# Altium PCB Radio(ESP).PcbDoc (part 1 of 2) (continued)
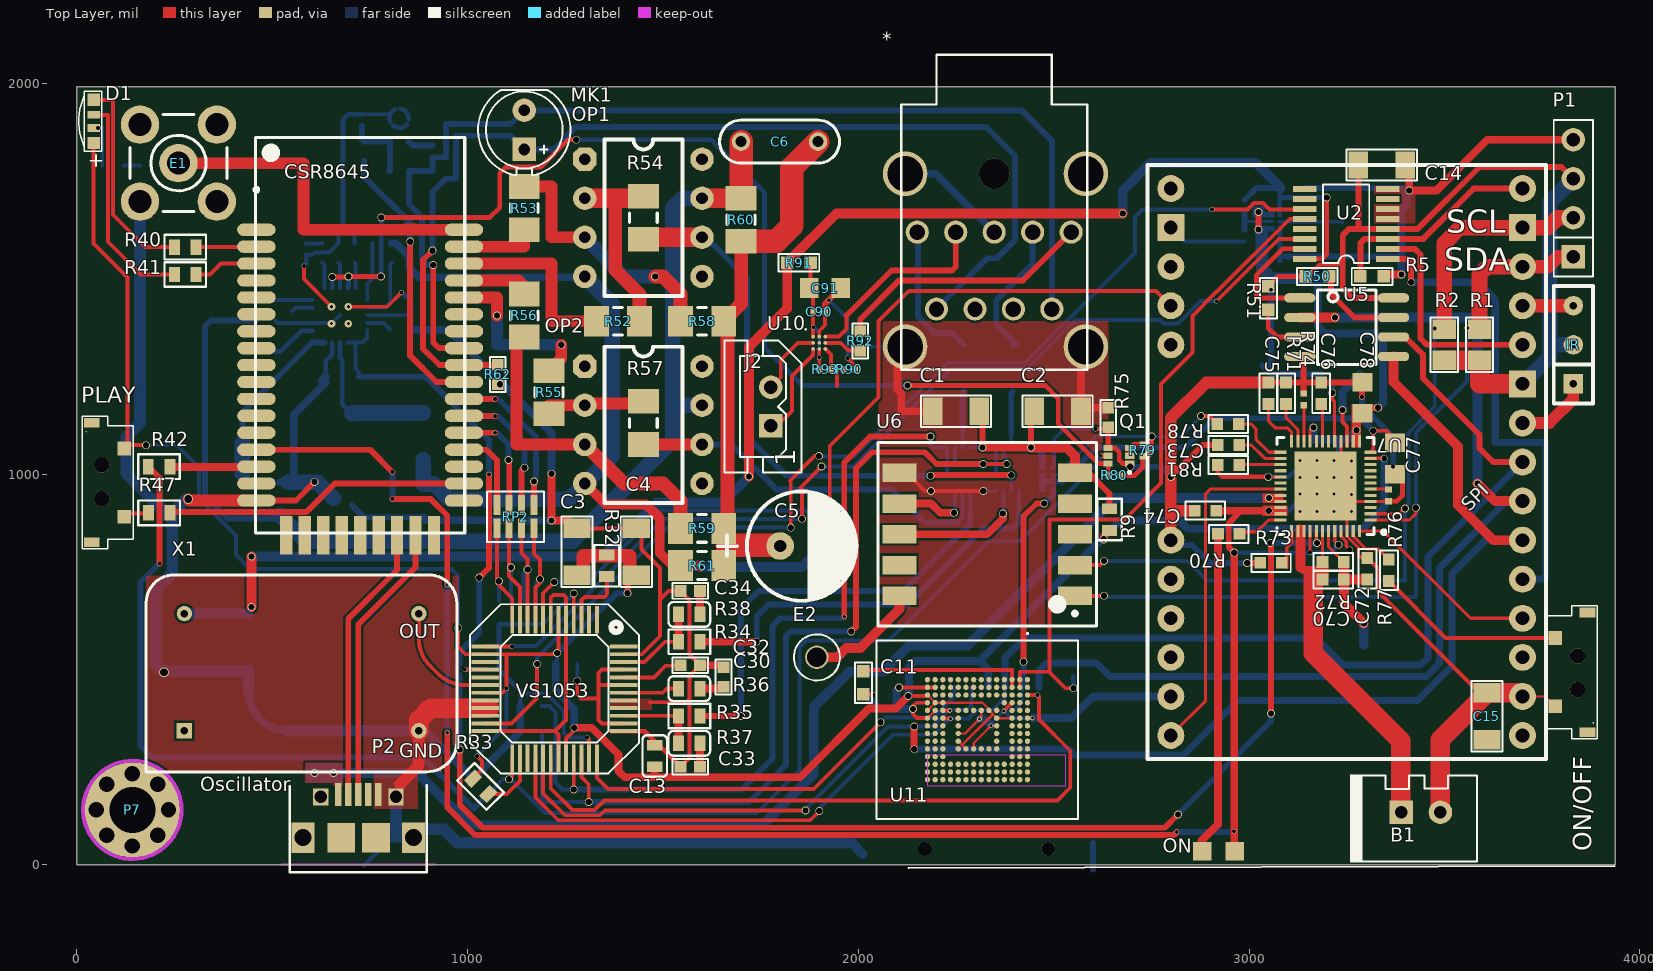
[diagram p0: Top Layer view]
## Footprints (in the part's own frame and the unit in brackets; to place one, negate y for a bottom-side part, rotate by r counter-clockwise, add the part's x,y. Pads: shape width x height; smd on the part's side, far side on the other; paste and mask are expansions set on the pad) (continued)
  silkscreen extent -6.3,-6.55 5.8,6.55, body extent -5.75,-6.5 5.75,6.5, height 1
CHIPLED_0805_NOOUTLINE [mm]
  rect 1.2x1.2 smd: A(0,-1.05) C(0,1.05)
CSR8645 [mm] "TQFP, 52-Leads, Body 13.50x26.20mm, Pitch 1.10mm, IPC Medium Density"
  oval 2.5x0.8 smd: 1(-6.75,7.1) 2(-6.75,5.999) 3(-6.75,4.9) 4(-6.75,3.799) 5(-6.75,2.7) 6(-6.75,1.599) 7(-6.75,0.5) 8(-6.75,-0.601) 9(-6.75,-1.7) 10(-6.75,-2.801) 11(-6.75,-3.9) 12(-6.75,-5) 13(-6.75,-6.101) 14(-6.75,-7.2) 15(-6.75,-8.301) 16(-6.75,-9.4) 17(-6.75,-10.501) 27(6.75,-10.501) 28(6.75,-9.4) 29(6.75,-8.301) 30(6.75,-7.2) 31(6.75,-6.101) 32(6.75,-5) 33(6.75,-3.9) 34(6.75,-2.801) 35(6.75,-1.7) 36(6.75,-0.601) 37(6.75,0.5) 38(6.75,1.599) 39(6.75,2.7) 40(6.75,3.799) 41(6.75,4.9) 42(6.75,5.999) 43(6.75,7.1)
  rect 0.8x2.5 smd: 18(-4.8,-12.749) 19(-3.6,-12.749) 20(-2.4,-12.749) 21(-1.2,-12.749) 22(0,-12.749) 23(1.2,-12.749) 24(2.4,-12.749) 25(3.6,-12.749) 26(4.8,-12.749)
  silkscreen extent -6.87,-12.62 6.8,13.1, body extent -6.52,-12.35 6.48,16.15, height 2.86
DCU-8N [mm]
  rect 1.12x0.27 smd: 1(-1.405,0.75) 2(-1.405,0.25) 3(-1.405,-0.25) 4(-1.405,-0.75) 5(1.405,-0.75) 6(1.405,-0.25) 7(1.405,0.25) 8(1.405,0.75)
  silkscreen extent -2.6,-1.2 1.2,1.2
DIL-14 [mm]
  rect 1x1 hole 0.48: 1(-15.25,0)
  round 1 hole 0.48: 2(0,0) 3(0,7.62) 4(-15.24,7.62)
  silkscreen extent -17.73,-2.67 2.48,10.13, body extent -17.72,-2.67 2.48,10.03, height 4.6
DIP-8 [mil]
  oct 60x60 hole 30: 1(0,0)
  round 60 hole 30: 2(0,-100) 3(0,-200) 4(0,-300) 5(300,-300) 6(300,-200) 7(300,-100) 8(300,0)
  silkscreen extent 50,-350 250,50, body extent -5,-365 305,65, height 200
IHLP2525 [mm] "Precision Wire Wound Inductor, 2-Leads, Body 6.86x6.47mm, IPC Medium Density"
  rect 2.2x3.55 smd: 1(-2.975,0) 2(2.975,0)
  silkscreen extent -3.45,-3.25 3.45,3.25, body extent -3.53,-3.33 3.45,3.34, height 1.64
LED-F3 [mil]
  rect 60x60 hole 30: 1(0,0)
  round 60 hole 30: 2(0,-100)
  silkscreen extent -118,-152 118,66
LFCSP-20 [mm] "PQFN, 20-Leads, Body 4.00x4.00mm, Pitch 0.50mm, Thermal Pad 2.60x2.60mm, IPC Low Density"
  oval 0.6x0.4 smd: 1(-1.775,1) 2(-1.775,0.5) 3(-1.775,0) 4(-1.775,-0.5) 5(-1.775,-1) 11(1.775,-1) 12(1.775,-0.5) 13(1.775,0) 14(1.775,0.5) 15(1.775,1)
  oval 0.4x0.6 smd: 6(-1,-1.775) 7(-0.5,-1.775) 8(0,-1.775) 9(0.5,-1.775) 10(1,-1.775) 16(1,1.775) 17(0.5,1.775) 18(0,1.775) 19(-0.5,1.775) 20(-1,1.775)
  rect 2.6x2.6 smd: 21(0,0)
  silkscreen extent -2.77,-2 2,2, body extent -2.01,-2.01 2.01,2.01, height 0.8
LPS5030 [mm] "Precision Wire Wound Inductor, 2-Leads, Body 4.80x4.80mm, IPC Medium Density"
  rect 2.2x5.65 smd: 1(-1.823,0) 2(1.823,0)
  silkscreen extent -0.45,-2.4 0.45,2.4, body extent -2.44,-2.44 2.44,2.44, height 3
LQFP-48 [mil]
  rect 10x70 smd: 1(0,0) 2(19.69,0) 3(39.37,0) 4(59.06,0) 5(78.74,0) 6(98.43,0) 7(118.11,0) 8(137.8,0) 9(157.48,0) 10(177.17,0) 11(196.85,0) 12(216.54,0) 25(216.54,354.33) 26(196.85,354.33) 27(177.17,354.33) 28(157.48,354.33) 29(137.8,354.33) 30(118.11,354.33) 31(98.43,354.33) 32(78.74,354.33) 33(59.06,354.33) 34(39.37,354.33) 35(19.69,354.33) 36(0,354.33)
  rect 70x10 smd: 13(285.43,68.9) 14(285.43,88.58) 15(285.43,108.27) 16(285.43,127.95) 17(285.43,147.64) 18(285.43,167.32) 19(285.43,187.01) 20(285.43,206.69) 21(285.43,226.38) 22(285.43,246.06) 23(285.43,265.75) 24(285.43,285.43) 37(-68.9,285.43) 38(-68.9,265.75) 39(-68.9,246.06) 41(-68.9,206.69) 42(-68.9,187.01) 43(-68.9,167.32) 44(-68.9,147.64) 45(-68.9,127.95) 46(-68.9,108.27) 47(-68.9,88.58) 48(-68.9,68.9)
  rect 70.87x10 smd: 40(-68.9,226.38)
  silkscreen extent -108,-39 325,394, body extent -71,-2 283,352, height 61
MELF-R3216-1206 [mm] "Metal Electrode Face (MELF) Resistor; Body 3.2 x 1.8 mm (LxDia)"
  rect 1.6x2 smd: 1(-1.4,0) 2(1.4,0)
  silkscreen extent -0.3,-0.9 0.3,0.9, body extent -1.72,-0.7 1.88,0.7, height 1.4
P125-B [mil]
  round 60 hole 50: 1(0,0)
  silkscreen extent -59,-59 59,59
pj-31030 [mm] "2-Holes Audio Socket"
  round 1.5 hole 1 paste+0 mask+0.05: 1(8.3,6.04) 2(13.3,9.79) 3(13.3,7.29) 4(13.3,2.29) 5(13.3,4.79) 6(8.3,11.04) 7(8.3,8.54) 8(8.3,1.04) 9(8.3,3.54)
  round 2.9 hole 2.3 paste+0 mask+0.05: 10(15.75,0.25) 11(4.5,0.25) 12(4.5,12) 13(15.75,12)
  silkscreen extent -3.23,0 17.25,12.09
QFN-48-6MM [mm] "QFN, 48-Leads, Body 6.00x6.00mm, Pitch 0.40mm, Thermal Pad 4.05x4.50mm, IPC Medium Density"
  rect 0.8x0.2 smd: 1(-2.925,2.2) 2(-2.925,1.8) 3(-2.925,1.4) 4(-2.925,1) 5(-2.925,0.6) 6(-2.925,0.2) 7(-2.925,-0.2) 8(-2.925,-0.6) 9(-2.925,-1) 10(-2.925,-1.4) 11(-2.925,-1.8) 12(-2.925,-2.2) 25(2.925,-2.2) 26(2.925,-1.8) 27(2.925,-1.4) 28(2.925,-1) 29(2.925,-0.6) 30(2.925,-0.2) 31(2.925,0.2) 32(2.925,0.6) 33(2.925,1) 34(2.925,1.4) 35(2.925,1.8) 36(2.925,2.2)
  rect 0.2x0.8 smd: 13(-2.2,-2.925) 14(-1.8,-2.925) 15(-1.4,-2.925) 16(-1,-2.925) 17(-0.6,-2.925) 18(-0.2,-2.925) 19(0.2,-2.925) 20(0.6,-2.925) 21(1,-2.925) 22(1.4,-2.925) 23(1.8,-2.925) 24(2.2,-2.925) 37(2.2,2.925) 38(1.8,2.925) 39(1.4,2.925) 40(1,2.925) 41(0.6,2.925) 42(0.2,2.925) 43(-0.2,2.925) 44(-0.6,2.925) 45(-1,2.925) 46(-1.4,2.925) 47(-1.8,2.925) 48(-2.2,2.925)
  rect 4.05x4.5 smd: 49(0,0)
  silkscreen extent -3.93,-3.15 3.15,3.15, body extent -3.08,-3.08 3.08,3.08, height 1
RB3/7MM [mm]
  round 1.8 hole 0.8: 1(0,0) 2(-2.794,0)
  silkscreen extent -4.95,-3.56 4.05,3.56, body extent -5.58,-4.06 2.54,4.06, height 12.12
RDA5807M [mm]
  rect 2.2x1.2 smd: 1(-5.7,4) 2(-5.7,2) 3(-5.7,0) 4(-5.7,-2) 5(-5.7,-4) 6(5.7,-4) 7(5.7,-2) 8(5.7,0) 9(5.7,2) 10(5.7,4)
  silkscreen extent -7.11,-5.97 7.11,5.97, body extent -5.5,-5.5 5.5,5.5, height 2.2
RN8 [mil]
  rect 18x50 smd: 1(0,0) 2(32,0) 3(63.51,0) 4(94.49,0) 5(95,60) 6(64,60) 7(32,60) 8(0,60)
  silkscreen extent -25,-35 120,95, body extent -16,-2 110,61, height 20
SIP2_1 [mil]
  rect 60x60 hole 35: 1(0,0)
  round 60 hole 35: 2(98.42,0)
  silkscreen extent -120,-79 218,118
SIP03 [mm]
  rect 1.27x1.27 hole 0.5: 1(0,0)
  round 1.27 hole 0.5: 2(2.54,0) 3(5.08,0)
  silkscreen extent -1.27,-1.27 6.35,1.27
SIP4 [mil]
  rect 60x60 hole 35: 1(0,0)
  round 60 hole 35: 2(100,0) 3(200,0) 4(300,0)
  silkscreen extent -50,-50 350,50
SLF6028 [mm]
  rect 1.8x2.15 smd: 1(0,0) 2(5.8,0)
  silkscreen extent -0.14,-3.04 5.94,3.04
SMA_FR [mm]
  round 2.5 hole 1.5: 1(0,0) 2(-2.5,-2.5) 2(-2.5,2.5) 2(2.5,-2.5) 2(2.5,2.5)
  silkscreen extent -3.15,-3.15 3.15,3.15, body extent -3.5,-3.5 3.5,11.6, height 10.26
SO8NB [mil]
  oval 24x80 smd: 1(-75,-120) 2(-25,-120) 3(25,-120) 4(75,-120) 5(75,120) 6(25,120) 7(-25,120) 8(-75,120)
  silkscreen extent -95,-75 95,75, body extent -97,-118 96,118, height 61
SOD-123 [mil]
  rect 40x50 smd: 1(0,0) 2(120,0)
  silkscreen extent -20,-35 140,35
sot-563 [mm]
  rect 0.4x0.6 smd: 1(-0.5,-3.125) 2(0,-3.125) 3(0.5,-3.125) 4(0.5,-1.725) 5(0,-1.725) 6(-0.5,-1.725)
  silkscreen extent -1.15,-3.2 -1,-3.05, body extent -0.8,-3.28 0.8,-1.65, height 0.58
sw_side [mm]
  rect 0.9x0.9 smd mask+0.05: 1(-1.075,1.075) 2(3.375,1.075)
  rect 0.627x1.016 smd mask+0.05: 3(-2.75,-1.025) 4(5.025,-1.025)
  round 1 hole 1: ""(0,-0.381) ""(2.2,-0.381)
  silkscreen extent -3.17,-1.65 5.45,1.65, body extent -2.54,-1.5 3.64,1.65, height 9.88
TJC3-2A [mil]
  rect 60x60 hole 32: 1(0,0)
  round 60 hole 32: 2(100,0)
  silkscreen extent -131,-128 194,97
TSSOP-16 [mil]
  rect 60x15 smd: 1(0,0) 2(0,-25.59) 3(0,-51.18) 4(0,-76.77) 5(0,-102.36) 6(0,-127.95) 7(0,-153.54) 8(0,-179.13) 9(212.6,-179.13) 10(212.6,-153.54) 11(212.6,-127.95) 12(212.6,-102.36) 13(212.6,-76.77) 14(212.6,-51.18) 15(212.6,-25.59) 16(212.6,0)
  silkscreen extent 47,-190 165,11, body extent -13,-191 223,5, height 43
"USB MICRO" [mm]
  rect 1.5x2 hole 1.1 unplated: 0(-3.6,-1.4) 0(3.6,-1.4)
  rect 1x1.1 hole 0.8 unplated: 0(-2.45,1.25) 0(2.45,1.25)
  rect 1.8x1.9 smd: 0(-1.1,-1.4) 0(1.15,-1.4)
  rect 0.4x1.5 smd: 1(-1.3,1.4) 2(-0.65,1.4) 3(0,1.4) 4(0.65,1.4) 5(1.3,1.4)
  Keep-Out Layer lines w0.125: -5,-3.15 5,-3.15
  silkscreen extent -4.45,-3.65 4.45,2, body extent -4.45,-3.65 4.45,1.45, height 1.86
WCSP-6-DSBGA-6 [mm] "WCSP"
  round 0.23 smd: A1(-0.2,0.4) A2(0.2,0.4) B1(-0.2,0) B2(0.2,0) C1(-0.2,-0.4) C2(0.2,-0.4)
  silkscreen extent -1.01,-0.7 0.5,1.01, body extent -0.45,-0.8 0.45,0.8, height 0.45
WIMA-MKS2C031001A00 [mm]
  round 1.2 hole 0.7: 1(0,0) 2(5,0)
  silkscreen extent -1.4,-1.4 6.4,1.4, body extent -1.01,-2.74 5.99,2.78, height 11
WLP-9 [mil] "1.2*1.2mm BGA"
  round 9 smd: A1(-15.75,15.75) A2(0,15.75) A3(15.75,15.75) B1(-15.75,0) B2(0,0) B3(15.75,0) C1(-15.75,-15.75) C2(0,-15.75) C3(15.75,-15.75)
  silkscreen extent -35,33 -33,35, body extent -24,-26 24,26, height 25
"定位孔 Φ3 1" [mm]
  round 1 hole 1: 1(-2.35,0) 1(-1.662,-1.662) 1(-1.662,1.662) 1(0,-2.35) 1(0,2.35) 1(1.662,-1.662) 1(1.662,1.662) 1(2.35,0)
  round 6.2 hole 3: 1(0,0)
  Keep-Out Layer circle w0.254: c0,0 r3.2

## Part data
*: "PJ-31030"
C1 C10 C11 C12 C14 C70 C72 C73 C74 C75 C76 C77 C78 C79 C80 C90 C91: library part CAP_CERAMIC_0805MP, "Ceramic CapacitorsFor new designs, use the packages preceded by an '_' character since they are more reliable:The following footprints should be used on most boards:For extremely tight-pitch boards where space is at a premium, the following 'micro-pitch' footprints can be used (smaller pads, no silkscreen outline, etc.):", DeviceName=_0805MP, DeviceSetName=CAP_CERAMIC, GateName_1=G$1, LibraryName=microbuilder, SymbolName_1=CAPACITOR
C2 C3 C4 C5 C6 C7 C8 C9 C13 C15 Cc1 Cc2 Cin1 Cout1 Cout2 CVREF CVREG: library part CAP, "Ceramic CapacitorsFor new designs, use the packages preceded by an '_' character since they are more reliable:The following footprints should be used on most boards:For extremely tight-pitch boards where space is at a premium, the following 'micro-pitch' footprints can be used (smaller pads, no silkscreen outline, etc.):", DeviceName=0603-NOOUTLINE, DeviceSetName=CAP_CERAMIC, GateName_1=G$1, LibraryName=microbuilder, SymbolName_1=CAPACITOR
C16 C17: library part Cap0805, "Capacitor", LatestRevisionDate=17-Jul-2002, LatestRevisionNote="Re-released for DXP Platform.", PackageDescription="Radial Cap, Thru-Hole; 2 Leads; 0.3 in Pin Spacing", PackageReference=RAD-0.3, Published=8-Jun-2000, Publisher="Altium Limited"
C30 C33 C34: "贴片电容", LatestRevisionDate=17-Jul-2002, LatestRevisionNote="Re-released for DXP Platform.", PackageReference=RAD-0.3, Published=8-Jun-2000, Publisher="Altium Limited"
C31: "Capacitor"
C32: library part Cap, "贴片电容", LatestRevisionDate=17-Jul-2002, LatestRevisionNote="Re-released for DXP Platform.", PackageReference=RAD-0.3, Published=8-Jun-2000, Publisher="Altium Limited"
CSR8645: "Bluetooth Audio"
D1: "LED-3528RGB"
D3 D4: library part MBRS140, "DIODE", Supplier Part Number 1=MBRS140FSTR-ND, Supplier 1=Digi-Key
E1 E2: "Generic Antenna"
J2: library part CON2, "Connector"
L1 L5: library part INDUCTOR1
L2 L3: library part INDUCTOR
L6: library part "Inductor Iron Dot", "Magnetic-Core Inductor with Winding Polarity Marking", LatestRevisionDate=17-Jul-2002, LatestRevisionNote="Re-released for DXP Platform.", PackageDescription="Diode; 2 Leads", PackageReference=DIODE_SMC, Published=24-Mar-1999, Publisher="Altium Limited"
MK1 MKSi: library part MICROPHONE2, "Microphone"
ON: library part LED0805_NOOUTLINE, "LED0603 - 0603 Surface Mount Package 2mA:5mA:0805 - 0805 Surface Mount Package 2mA:20mA:", DeviceName=0805_NOOUTLINE, DeviceSetName=LED, GateName_1=G$1, LibraryName=microbuilder, SymbolName_1=LED
ON/OFF PLAY: library part SW-PB
OP1 OP2: "Operational Amplifier"
P1: "Micro SD", Package=None, Availability=Unavailable, MF=Suntech, MP=ST-TF-003A, Price=None, SnapEDA_Link=https://www.snapeda.com/parts/ST-TF-003A/Suntech/view-part/?ref=snap
P1: library part "4 HEADER", "4 Pin Header"
P2: library part USB_W_SHIELD_20329, DeviceName=_20329, DeviceSetName=USB_W_SHIELD, GateName_1=CONN, GateName_2=SHIELD, LibraryName=microbuilder, SymbolName_1=USB, SymbolName_2=PINHD1
P7: "RCA Connector"
Q1: "DUAL N-CHANNEL ENHANCEMENT MODE MOSFET SOT-563"
R1 R2 R5 R6 R7 R8 R9 R30 R31 R32 R33 R34 R35 R36 R37 R38 R40 R41 R42 R43 R47 R48 R49 R50 R51 R52 R53 R54 R55 R56 R57 R58 R59 R60 R61 R62 R90 R91 R92 R93 RC1 RC2 RFB1 RFB2 RFT1 RFT2: library part RES2, "Resistor"
R3 R4: library part RES, "Resistor", LatestRevisionDate=17-Jul-2002, LatestRevisionNote="Re-released for DXP Platform.", PackageDescription="Axial Device, Thru-Hole; 2 Leads; 0.3 in Pin Spacing", PackageReference=AXIAL-0.3, Published=8-Jun-2000, Publisher="Altium Limited"
R70 R71 R72 R73 R74 R75 R76 R77 R78 R79 R80 R81: library part RESISTOR0805_NOOUTLINE, "ResistorsFor new designs, use the packages preceded by an '_' character since they are more reliable:The following footprints should be used on most boards:For extremely tight-pitch boards where space is at a premium, the following 'micro-pitch' footprints can be used (smaller pads, no silkscreen outline, etc.):", DeviceName=0805_NOOUTLINE, DeviceSetName=RESISTOR, GateName_1=G$1, LibraryName=microbuilder, SymbolName_1=RESISTOR
RP1 RP2: library part RESPACK4A, "Resistor Network"
Rslew: library part RES2
Rss: library part RES2, "4 ms (268 kΩ) and 32 ms (50 kΩ)"
U2: "3-to-8 line decoder/demultiplexer; inverting"
U7: "Power system management PWM Charge"
U10: "Mono 2.6W ClassD Amp."
U11: "eMMC BGA-153 1.5x13x1.0", Package=None, Availability=Unavailable, MF="Delkin Devices", MP=EM08APGD3-BA000-2, Price=None, SnapEDA_Link=https://www.snapeda.com/parts/EM08APGD3-BA000-2/Delkin%20Devices/view-part/?ref=snap
U12: "2 A/1.2 A DC-to-DC Switching Regulator with / Independent Positive and Negative Outputs"
U13: "5V Boost"
U14: "3.6-V, 2-A, 18.3-mΩ On-Resistance Load Switch"
X1: library part OSC, "有源晶振"

## Free pads (board coordinates)
  round 69 hole 35: 1(2800,1731) 3(2800,1531) 4(2800,1431) 5(2800,1331) 10(2800,831) 11(2800,731) 12(2800,631) 13(2800,531) 14(2800,431) 15(2800,331) 16(3700,331) 17(3700,431) 18(3700,531) 19(3700,631) 20(3700,731) 21(3700,831) 22(3700,931) 23(3700,1031) 24(3700,1131) 26(3700,1331) 27(3700,1431) 28(3700,1531) 30(3700,1731)
  rect 69x69 hole 35: 2(2800,1631) 25(3700,1231) 29(3700,1631)

## Via types
v1: diameter 20, hole 16, Top Layer to Bottom Layer, 108 vias
v2: diameter 12, hole 10, Top Layer to Bottom Layer, 35 vias
v3: diameter 19.68, hole 7.87, Top Layer to Bottom Layer, 20 vias
v4: diameter 12, hole 8, Top Layer to Bottom Layer, 6 vias
v5: diameter 25, hole 20, Top Layer to Bottom Layer, 2 vias
v6: diameter 14, hole 10, Top Layer to Bottom Layer, 1 vias
v7: diameter 16, hole 14, Top Layer to Bottom Layer, 1 vias
v8: diameter 18, hole 15, Top Layer to Bottom Layer, 1 vias
v9: diameter 78.74, hole 78.74, Top Layer to Bottom Layer, 1 vias

## Nets (pads, with @x,y where several pads share a name; then routed paths per layer and width w, separated by ;. In a path a pad name is that pad's centre, name@x,y a point inside that pad or via, vN(x,y) a via of type N, cw(c..) or ccw(c..) an arc to the next point about the centre after c; other vN are vias at no path point)
1V8: VS1053.5 VS1053.7 VS1053.24 VS1053.31 | length 706
  Top Layer w10: VS1053.24@1045.41,342.08 1223.92,342.08 ; VS1053.7@1212.74,627.52 1212.74,683.74 1220,691 1245,691 1252.11,683.89 VS1053.5@1252.11,627.52 1252.11,370.27 1223.92,342.08 ; VS1053.31@1232.42,273.19 1232.42,333.58 1223.92,342.08
3V3: C3.1 C4.1 C13.1 D1.1 P1.4@2332.55,454.31 PLAY.1 R9.1 R31.1 R32.2 R33.2 U7.11 U11.C6 U11.E6 U11.F5 U11.J10 U11.K9 U11.M4 U11.N4 U11.P3 U11.P5 VS1053.6 VS1053.14 VS1053.19 VS1053.32 | length 6910.4
  Top Layer w6: U11.P5@2177.05,395.21 U11.N4@2196.73,414.9 ; U11.P3@2177.05,434.58 U11.N4@2196.73,414.9 ; U11.K9@2255.79,316.47 2265.63,306.63 U11.J10@2275.47,296.79 ; U11.C6@2393.58,375.53 U11.E6@2354.21,375.53 2344.37,385.37 U11.F5@2334.53,395.21 2334.53,398 2317.63,414.9 U11.M4@2216.42,414.9 U11.N4@2196.73,414.9
  Top Layer w7: 2265.63,306.63 2344.37,385.37
  Top Layer w9: U7.11@3299,1040.21 U7.11@3310.98,1040.21 v8(3346,1040.21)
  Top Layer w10: D1.1@43.02,1847.61 43.02,1589.98 130,1503 130,1074.32 176.68,1074.32 v1(177,1074) ; v1(976,607) 976,557 994.07,538.93 VS1053.14@1045.41,538.93 1100,538.93 ; R33.2@1013.7,220.23 1037,243.52 1037,266 v2(1024,279) ; VS1053.19@1045.41,440.51 1089.51,440.51 v2(1100,451) 1100,538.93 ; VS1053.6@1232.42,627.52 1232.42,545.42 v1(1229.18,542.18) 1225.93,538.93 1100,538.93 ; VS1053.32@1252.11,273.19 1252.11,323.11 1273,344 v1(1273,351) ; 1479,224.92 1480,223.92 ; v1(2128,432) 2174.47,432 U11.P3@2177.05,434.58
  Top Layer w15: v1(1409,695) 1409,735 C4.1@1415,741
  Top Layer w20: v1(1273,351) 1318,351 1386,283 1386,240 1402.08,223.92 1480,223.92 1851.08,223.92 2027.17,400 2096,400 v1(2128,432) ; 1479,224.92 C13.1@1479,251 ; v1@2628,834 2628,841 R9.1@2643,856
  Top Layer w35: C3.1@1280,741 1296,757 1296,791.12 1415,791.12 C4.1@1415,741
  Bottom Layer w10: v1(177,1074) 256,1074 312.5,1017.5 312.5,937 407,842.5 407,793 443,757 959,757 976,740 v1(976,607) ; v2(1024,279) 1100,355 v2(1100,451) ; R31.1@1220.61,514.54 1229,522.93 v1@1229,542 ; v1@1225.93,538.93 v1@1229,542 ; v1(1229.18,542.18) v1@1229,542
  Bottom Layer w15: v1(1229.18,542.18) 1382,695 v1(1409,695)
  Bottom Layer w20: R31.1@1225.61,514.54 1225.61,445.39 1273,398 v1(1273,351) ; v1(2128,432) 2130,434 2130,507 2145,522 2311,522 ; P1.4@2332.55,454.31 2332.55,500.45 2311,522 ; v8(3346,1040.21) 3346,915 3291,860 2842.42,860 2820.92,881.5 2670.5,881.5 2311,522
  other v1: 2628,833
"3V3 ESP": C14.1 C15.1 IR.2 L5.2 P1.3@3830,1756 pad.11 pad.16 pad.25 R1.2 R2.2 R50.1 R51.1 U2.4 U5.8 U7.17 | length 2787.9
  Top Layer w8: v1(3213,1208) 3214,1207 3214,1190 3219.13,1184.87 3219.13,1084.82 U7.17@3219.45,1084.51
  Top Layer w10: R50.1@3145,1506 3150,1506 3180,1536 3240,1536
  Top Layer w12: R51.1@3049.58,1480.36 3048.58,1480.57 3074.02,1506 R50.1@3145,1506
  Top Layer w15: C14.1@3280,1791 3280,1627.77 ; U5.8@3370,1451 3265,1451 3240,1476 3240,1536 3240,1611 3256.77,1627.77 3280,1627.77 ; P1.3@3830,1756 3800,1786 3590,1786 3431.77,1627.77 U2.4@3355,1627.77 3280,1627.77
  Top Layer w50: R2.2@3500,1291 R1.2@3590,1291 3590,1231 pad.25@3700,1231
  Bottom Layer w15: L5.2@3033.83,1278 L5.2@3055.48,1256.35 ; v2(3056,1472) 3056,1256.87 L5.2@3055.48,1256.35 ; v1(3213,1208) 3213,1225 3181.65,1256.35 L5.2@3055.48,1256.35
  Bottom Layer w40: pad.25@3700,1231 3770,1301 3770,1331 ; IR.2@3830,1331 3770,1331 ; P1.3@3830,1756 3770,1696 3770,1331
+5: C17.2 C31.1 R3.2 R91.2 U2.16 U13.C2 X1.4 | length 4102.4
  Top Layer w12: U2.16@3142.4,1551 3187,1551 3199,1563 v1(3199,1708)
  Top Layer w25: v1(447,660) v1(447,789) ; v1(1720,994) 1720,1326 1818,1424 R91.2@1818,1541 1944.26,1667.26 2564.54,1667.26 2564.8,1667 v1(2677,1667)
  Bottom Layer w12: 3080,1708 v1(3199,1708)
  Bottom Layer w15: R3.2@2988.27,1701.49 3018.71,1731.92 C17.2@3081.51,1731.92
  Bottom Layer w25: X1.4@275.18,643 438,643 C31.1@440,641 ; v1(447,789) 1098.7,789 1099.2,789.5 1122.81,789.5 1123.31,789 1345.01,789 1483.51,927.5 1653.5,927.5 v1(1720,994) ; v1(2677,1667) 2677,1726 2747,1796 3017.43,1796 C17.2@3081.51,1731.92
+15V: C6.1 Cout1.1 D3.2 OP1.7 OP2.7 R60.1 RFT1.2 | length 2931.3
  Top Layer w50: OP1.7@1600,1706 1699.88,1706 R60.1@1700,1706.12
  Top Layer w60: R60.1@1700,1706.12 C6.1@1700,1851
  Bottom Layer w15: RFT1.2@460.14,1393.32 343.32,1393.32 328,1378 328,945 386.88,886.12 512.03,886.12 Cout1.1@520.02,894.11
  Bottom Layer w40: Cout1.1@520.02,894.11 585.53,828.6 1267.68,828.6 1525,1085.92 1525,1178.56 ; OP2.7@1600,1176 1527.56,1176 1525,1178.56 ; OP1.7@1600,1706 1550,1706 1525,1681 1525,1178.56
-15V: C5.2 Cout2.2 D4.1 OP1.4 OP2.4 R61.2 RFT2.2 | length 2416.5
  Top Layer w25: OP2.4@1300,976 1354,922 1457,922 1492,887 1492,798 1524,766 R61.2@1544.88,766 1593,766 v1@1596.93,762.07
  Bottom Layer w20: RFT2.2@806.22,1590.7 816.3,1590.7 851,1556 851,1528 875,1504 OP1.4@1298,1504
  Bottom Layer w25: OP1.4@1298,1504 OP1.4@1300,1506 ; v1@1596.93,762.07 1856.07,762.07 C5.2@1910,816
  Bottom Layer w40: D4.1@886.61,1036.53 886.2,1036.12 Cout2.2@886.2,974.62 913.98,974.62 952.72,935.88 1259.88,935.88 OP2.4@1300,976 1370,1046 1370,1436 OP1.4@1300,1506
  other v1: 1595.93,762.07
ADP: Cin1.1 U7.41 U12.15 U12.16 U12.17 | length 4344.7
  Top Layer w8: U7.41@3172.2,854.19 3172.2,825.8 v1(3174,824)
  Top Layer w15: v1(980,295) 980,154 1039,95 2784,95 v1(2818,129) ; v1(1030,735) 1055,760 v2(1055,999) ; v1(3055,824) 3056,823 v1(3056,387)
  Bottom Layer w10: U12.17@692.91,1336.77 U12.16@712.6,1336.77 ; Cin1.1@722.24,1260.35 712.6,1270 U12.16@712.6,1336.77 ; U12.15@743.11,1367.28 743.11,1348.32 731.55,1336.77 U12.16@712.6,1336.77
  Bottom Layer w15: Cin1.1@721.24,1249.35 892.65,1249.35 1055,1087 v2@1055,1000 ; v1(980,295) 980,484.42 972.94,491.49 972.94,507.64 980,514.71 980,544 1030,594 v1(1030,735) ; v1(2818,129) 3056,367 v1(3056,387) ; v1(3055,824) v1(3174,824)
ADP_EN: Q1.6 R80.1 U12.7 U12.9 | length 2970.8
  Top Layer w12: v1(653.54,1504.46) v1@695,1504.46 ; v1(695,1506) v1(778,1506) ; v1(779,1657) 1057,1657 1082,1682 1082,1770 1098,1786 1187,1786 1257,1856 v1(1278,1856) ; v1(2126,1227) 2478,1227 2512,1193 2512,1129 2613.74,1027.26 Q1.6@2639.39,1027.26 2639.39,996.9 R80.1@2639.66,996.63
  Bottom Layer w12: U12.7@653.54,1476.53 v1(653.54,1504.46) ; U12.9@692.91,1476.53 695,1478.62 v1(695,1506) ; v1(778,1506) 779.22,1507.22 779.22,1656 v1@779,1656.22 ; v1@1279.18,1856 1624,1856 1760,1720 1760,1323 1856,1227 v1(2126,1227)
ADPTER: 
AGND: *.1 *.10 *.11 *.12 *.13 C1.2 C2.2 C3.2 C4.2 C8.1 C13.2 C30.1 C32.1 C33.1 C34.1 C90.2 C91.2 Cc1.2 Cc2.2 CVREF.1 CVREG.2 MKSi.2 R30.2 R62.2 R75.2 R90.2 RFB1.1 Rslew.2 Rss.2 U6.6 U8.4 U9.4 U10.A2 U12.2 U12.13 U12.21 VS1053.37 VS1053.40 VS1053.41 VS1053.47 | length 5184.3
  Top Layer w10: v2(581,1533) 581,1498.88 v3(651.57,1428.3) ; v3(694.88,1428.3) 794.3,1428.3 v2(831,1465) ; C3.2@1280,861 C4.2@1432,861 1445,848 1445,807 1492,760 1492,679 ; VS1053.47@1399.75,538.93 1445.93,538.93 1492,585 1492,679 ; 1467,416 1559,416 1568,425 ; C33.1@1545.01,250.92 1568,273.91 1568,425 ; U10.A2@1900,1351.75 1900,1366 1914.96,1380.96 C90.2@1914.96,1416 ; v2(1972,1297) 1991.96,1277.04 R90.2@1991.96,1268 ; U6.6@2105.59,1003.48 2123.52,1003.48 2170,957 v1(2186,957) v1(2320,957) ; 1492,679 1514,701 C34.1@1545,701 1568,678 1568,538 C30.1@1595,511 1568,484 1568,425
  Top Layer w12: VS1053.37@1367,342.08 VS1053.37@1399.75,342.08 1453.84,342.08 C33.1@1545.01,250.92
  Top Layer w15: C90.2@1914.96,1416 1914.96,1435.96 C91.2@1955,1476
  Top Layer w20: v1(1215,1001) v1(1215,881) 1260,881 C3.2@1280,861 ; C30.1@1595,511 1650,511 C32.1@1655,506 ; *.10@2119.84,1325.92 2100,1306.08 2100,1216.23 2110,1206.23 2110,1161 C1.2@2190,1161 ; *.13@2582.44,1325.92 2570,1313.48 C2.2@2570,1161 2579,1170 R75.2@2639.65,1170
  Bottom Layer w10: RFB1.1@508.64,1393.32 515,1386.96 U12.2@603.35,1386.96 653.54,1386.96 U12.21@673.23,1406.65 ; Cc1.2@586.85,1560.73 601.73,1560.73 608,1567 645.19,1567 Rss.2@669.29,1591.1 669.29,1613.46 Cc2.2@680.92,1625.09 ; C8.1@730,1920.96 801.99,1920.96 MKSi.2@802.53,1920.45 ; U12.13@743.11,1406.65 855.73,1406.65 857.01,1405.37 ; CVREF.1@856.89,1439.68 857.01,1439.56 857.01,1405.37 ; CVREG.2@857.01,1369.68 857.01,1405.37 ; v2(1925,1445) 1972,1398 1972,1326 ; v2(1972,1297) 1972,1326 ; *.10@2119.84,1325.92 1972.08,1325.92 1972,1326 ; v1(2186,957) 2186.3,957.3 U8.4@2227.64,957.3 ; v1(2320,957) 2320.3,957.3 U9.4@2351.97,957.3
  Bottom Layer w12: v2(581,1533) 586.85,1538.85 Cc1.2@586.85,1560.73 ; Cc2.2@680.92,1625.09 680.92,1906.92 694.96,1920.96 C8.1@730,1920.96 ; v2(831,1465) 831.57,1465 CVREF.1@856.89,1439.68
  Bottom Layer w20: CVREG.2@857.01,1369.68 950.32,1369.68 1215,1105 v1(1215,1001) ; R30.2@1149.12,882 1150.12,881 v1(1215,881) ; *.11@2119.84,1768.83 2198.19,1768.83 *.1@2347.8,1619.23
  other v1: 1083,1230
  other v3: 651.57,1385 694.88,1385
ANT: E2.1 U6.10 | length 296.7
  Top Layer w25: E2.1@1894,531 1945,531 1969,555 2006,555 2105.59,654.59 U6.10@2105.59,688.52
AUX_N: *.6 R92.2 | length 662.1
  Top Layer w15: R92.2@2005,1366 2005,1396 2105,1496 2421.42,1496 *.6@2544.65,1619.23
AUX_P: *.9 U10.A3 | length 517.1
  Top Layer w10: U10.A3@1915.75,1351.75 1915.75,1352 1951,1352 1970,1371 1970,1406
  Top Layer w15: 1970,1406 2085,1521 2240,1521 2249.37,1530.37 *.9@2249.37,1619.23
AVDD: R31.2 VS1053.38 VS1053.43 VS1053.45 | length 458.8
  Top Layer w10: v1(1280.72,471) 1280.72,435.39 1290,426.12 1334.88,426.12 ; VS1053.38@1399.75,361.77 1344.23,361.77 1334.88,371.12 1334.88,426.12 ; VS1053.43@1399.75,460.19 1335,460.19 ; VS1053.45@1399.75,499.56 1343.56,499.56 1335,491 1335,460.19 ; 1334.88,426.12 1334.88,460.08 1335,460.19
  Bottom Layer w10: v1(1280.72,471) R31.2@1280.72,514.54
BAT: B1.1 C70.2 R72.1 U7.38 U7.39 U7.42 | length 923.8
  Top Layer w8: U7.42@3187.95,854.19 3187.95,788.22 R72.1@3189.83,786.35
  Top Layer w20: 3132.33,760.85 3138.83,754.35 3189.83,754.35
  Top Layer w25: 3131.96,857.96 3131.96,761.22 3132.33,760.85
  Top Layer w50: 3164,738 3164,542 3388.91,317.09 B1.1@3388.91,133.4
BT_L: OP1.6 R54.1 U9.2 | length 1466.9
  Top Layer w15: v1(2185,996) 2186.34,997.34 v1(2391.34,997.34)
  Top Layer w50: R54.1@1455,1606 OP1.6@1600,1606
  Bottom Layer w10: U9.2@2391.34,957.3 v1(2391.34,997.34)
  Bottom Layer w15: OP1.6@1600,1606 1610,1606 1715,1501 1715,1096.25 1815.53,995.72 2184.72,995.72 v1(2185,996)
BT_R: OP2.6 R57.1 U8.2 | length 974.2
  Top Layer w30: R57.1@1450,1075.88 1450,1076 OP2.6@1600,1076
  Bottom Layer w10: 2255,876 2267.01,888.01 U8.2@2267.01,957.3
  Bottom Layer w15: OP2.6@1600,1076 1675,1076 1790,961 2085,961 2170,876 2255,876
eMMC_CS: P1.9 U2.12 U11.B1 U11.B2 | length 1822.7
  Top Layer w10: U11.B2@2413.27,454.27 U11.B1@2413.27,473.95 2413.27,494.27 2488,494.27 ; v1(2551,452) 2530.27,452 2488,494.27 ; U2.12@3142.4,1653.36 3104.36,1653.36 2917,1466 2915.96,1466 2855,1405.04 2855,1311 2775,1231 2775,977 2682,884 2489,884 2489,495.27 2488,494.27
  Bottom Layer w10: P1.9@2549.09,454.31 2549.09,483.45 2551,481.54 v1(2551,452)
ESP_GIO2: pad.26 U2.2 | length 572.7
  Top Layer w15: U2.2@3355,1576.59 3424.41,1576.59 3438.94,1562.06 3438.94,1347.06 3455,1331 pad.26@3700,1331
ESP_GIO15: pad.20 U2.1 | length 1250.8
  Top Layer w15: U2.1@3355,1551 3405,1551 3415,1541 v1(3415,1491)
  Bottom Layer w18: 3630,1089 3630,1081.5 3759,1081.5 3759,731 pad.20@3700,731
  Bottom Layer w20: v1(3415,1491) 3585,1491 3630,1446 3630,1089
ESP_GIO16: pad.30 R5.2 U2.3 | length 558
  Top Layer w15: R5.2@3285,1506 3285,1591 3296.18,1602.18 U2.3@3355,1602.18 3446.18,1602.18 3575,1731 pad.30@3700,1731
FM_L: U6.8 U9.3 | length 353
  Top Layer w20: U6.8@2105.59,846 2330,846 2370,886 v1(2370,899.35)
  Bottom Layer w10: v1(2370,899.35) 2371.65,901 U9.3@2371.65,957.3
FM_R: U6.7 U8.3 | length 207.9
  Top Layer w20: U6.7@2105.59,924.74 2186.26,924.74 2210,901 v1(2245,901)
  Bottom Layer w10: v1(2245,901) 2247.32,901 U8.3@2247.32,957.3
GAIN: R90.1 R93.2 U10.C3 | length 132.2
  Top Layer w10: U10.C3@1915.75,1320.25 1929.96,1306.04 R93.2@1929.96,1268 1945,1268 ; 1945,1226 1945,1268 ; R90.1@1962.04,1268 1945,1268